# Altium PCB Monitoring.PcbDoc
Units mil, origin at the board's own origin, x right, y up, seen from the top; angles counter-clockwise.
Board outline 4310 x 2020 mil, 4 copper layers (Top Layer, Internal Plane 1, Internal Plane 2, Bottom Layer), stack 18.2 mil thick; 97 components, 72 nets, 433 pads, 57 vias.
Unrouted connection lines stored in the file: 2.
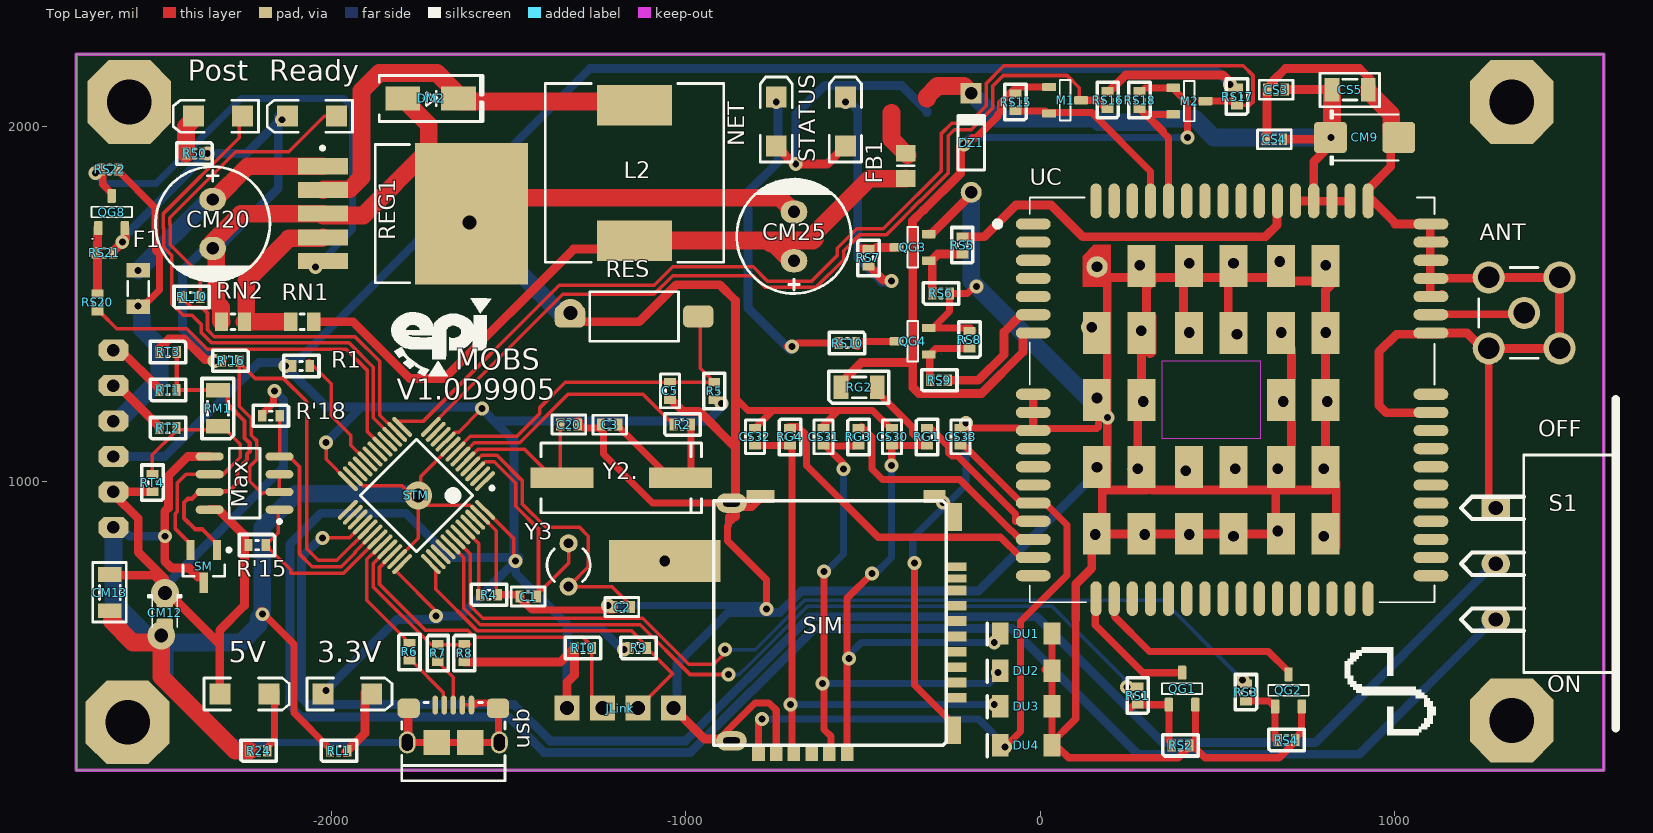
[diagram p0: Top Layer view]
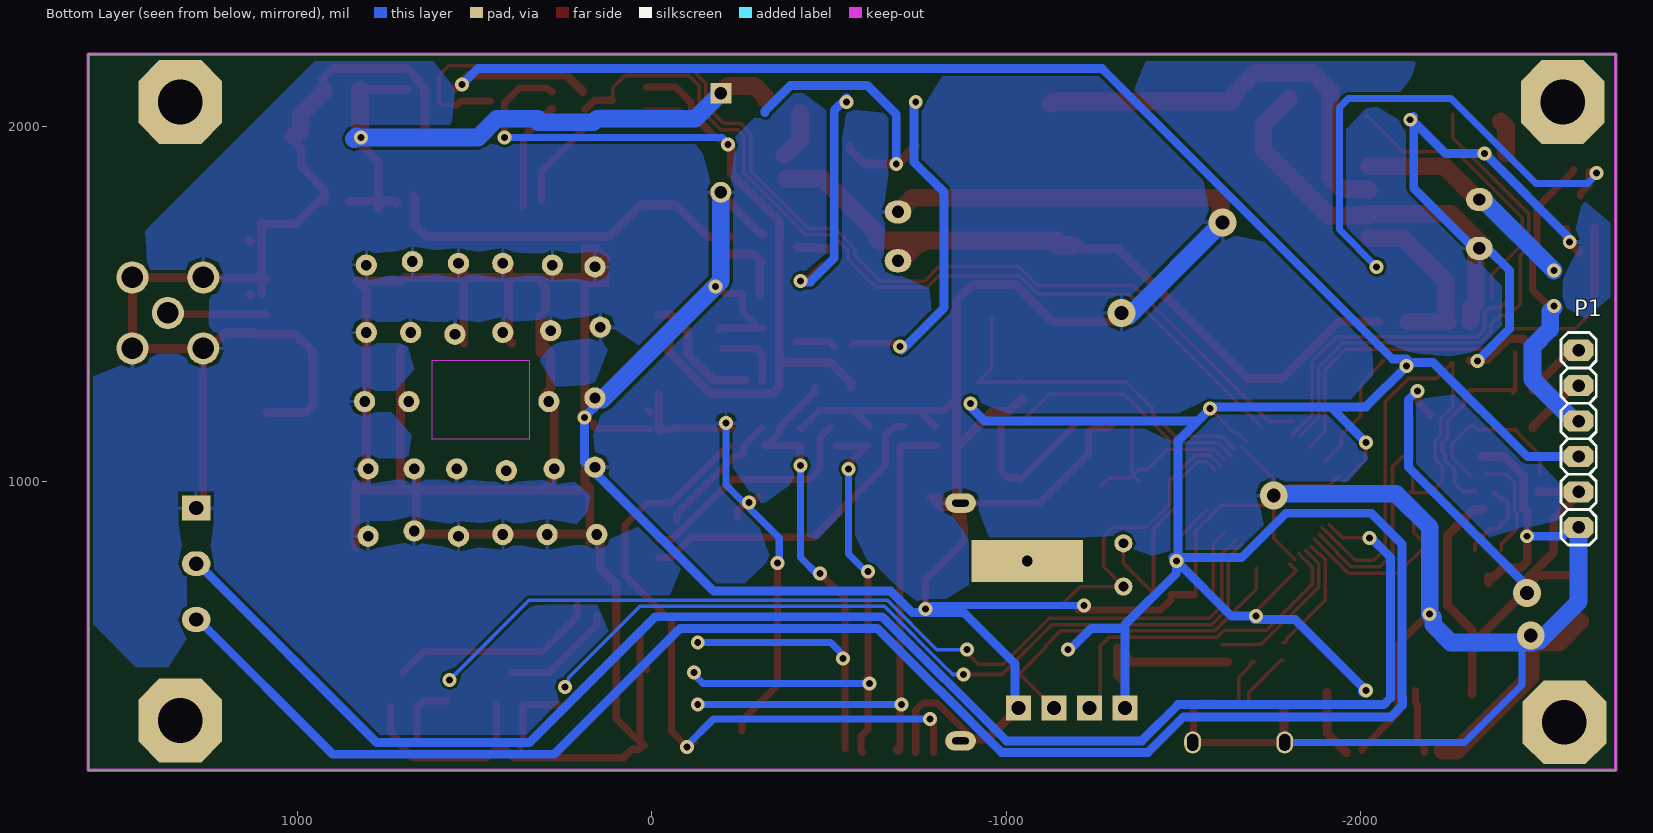
[diagram p1: Bottom Layer view, seen from below]
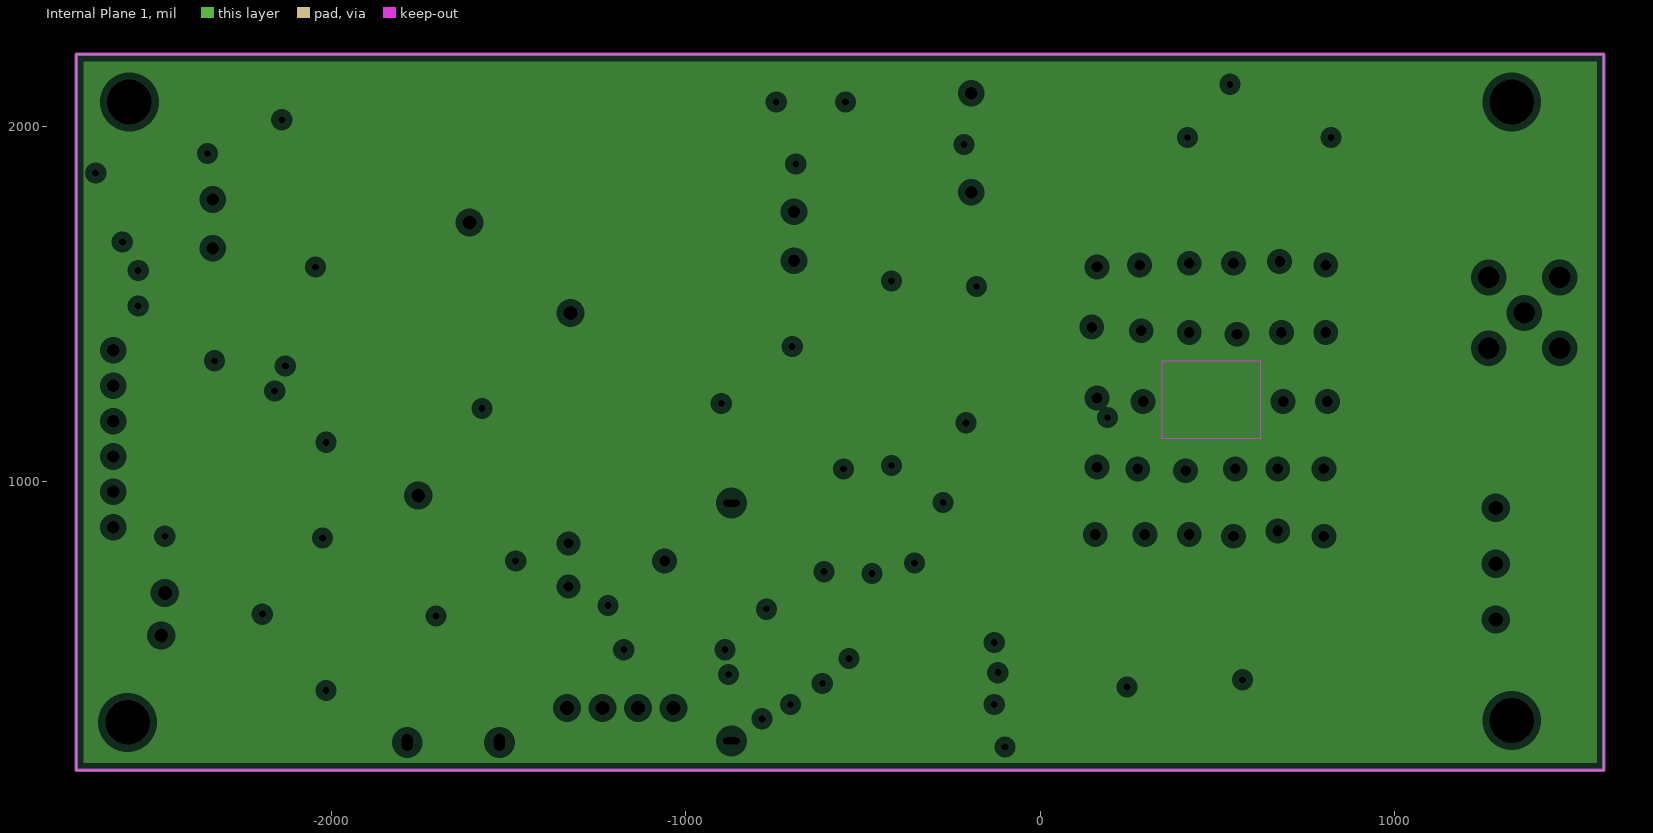
[diagram p2: Internal Plane 1, clearances drawn from the general rule]
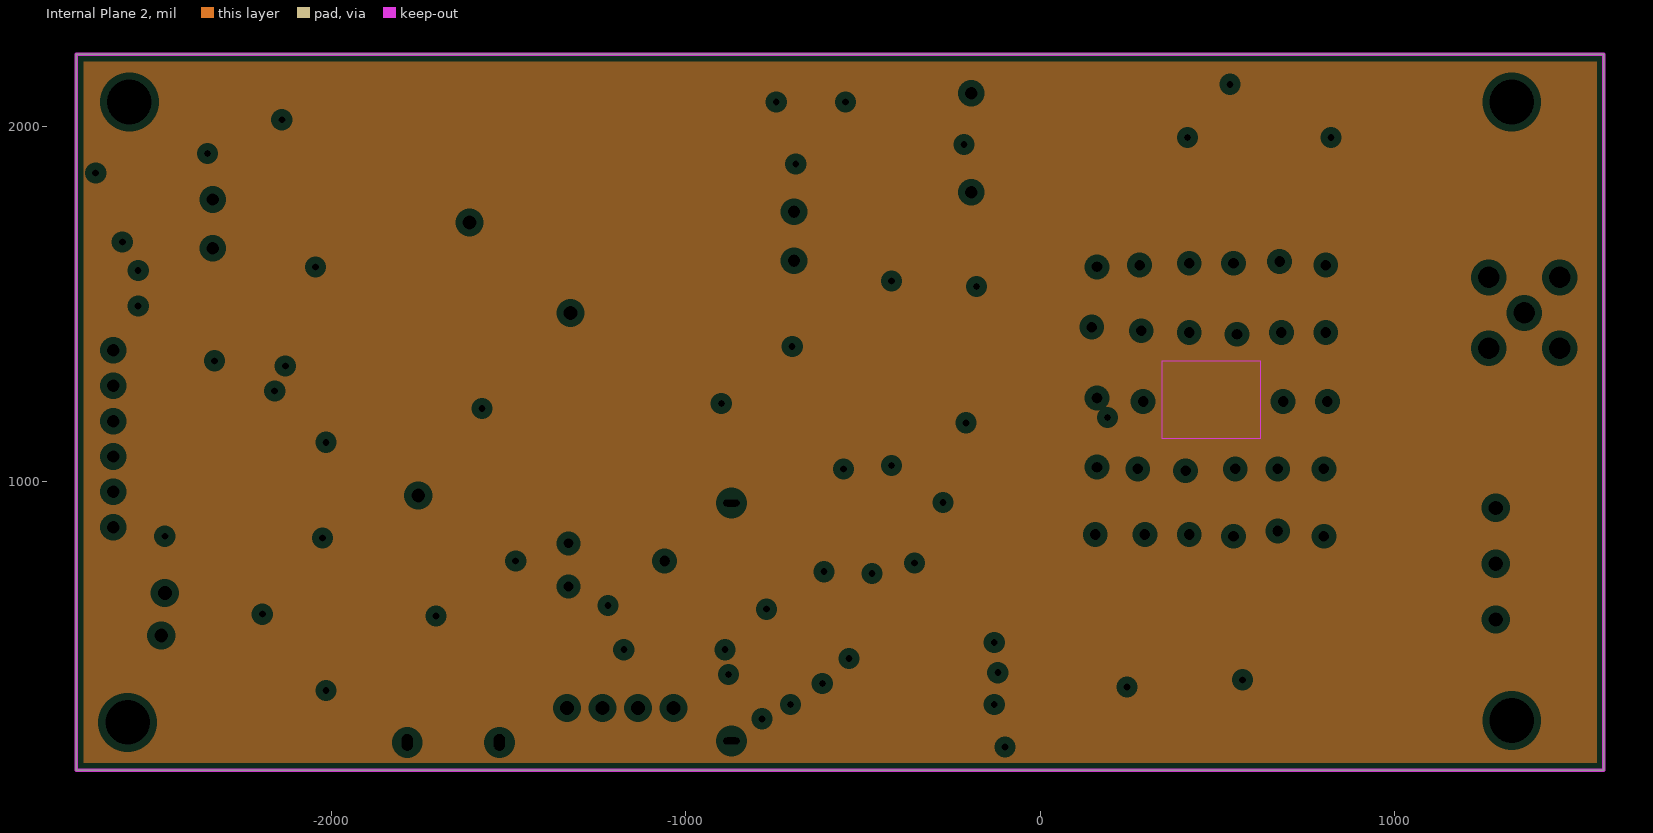
[diagram p3: Internal Plane 2, clearances drawn from the general rule]
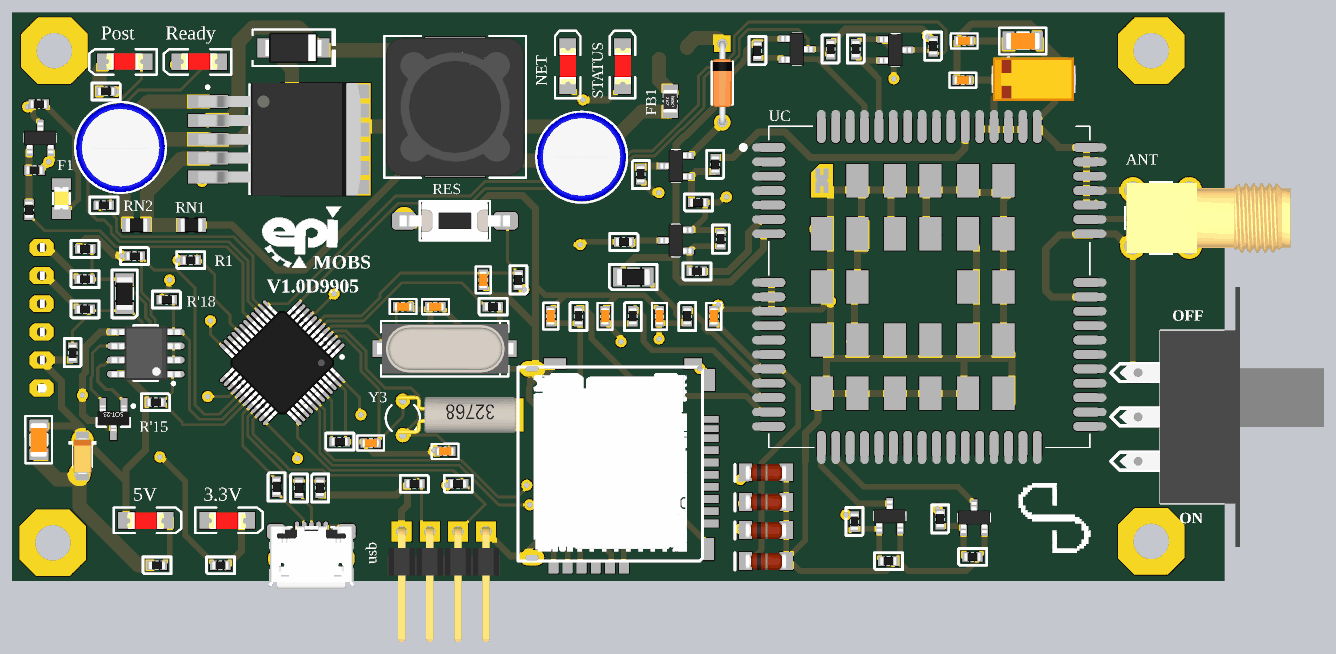
[diagram p4: 3D render of the assembled board from above, using the file's embedded part models]

## Layer stack, top to bottom
Top Solder: solder mask 0.4, Solder Resist, Dk 3.5
Top Layer: signal copper 1.4
Internal Plane 1: plane copper 1.4
Internal Plane 2: plane copper 1.4
Dielectric 1: dielectric 12.6, FR-4, Dk 4.8
Bottom Layer: signal copper 1.4
Bottom Solder: solder mask 0.4, Solder Resist, Dk 3.5

## Board outline
-2720,185 -2720,2205 1590,2205 1590,185

## Design rules (kind name [scope] priority, off if disabled: settings)
Clearance [All] p1: gap=7.87 ignorepadtopadclearanceinfootprint=FALSE except(0: Arc-Hole Track-Hole SMDPad-Hole THPad-Hole Via-Hole Fill-Hole Poly-Hole Region-Hole Text-Hole)
HoleSize [All] p1: absolutevalues=TRUE maxlimit=200 minlimit=1 maxpercent=80.000 minpercent=20.000
MinimumSolderMaskSliver [All] p1 off: minsoldermaskwidth=10
PlaneClearance [All] p1: clearance=20
PlaneConnect [All] p1: planeconnectstyle=Relief reliefexpansion=20 reliefentries=4 reliefconductorwidth=10 reliefairgap=10
PolygonConnect [All] p1: connectstyle=Relief reliefconductorwidth=10 reliefentries=4 polygonreliefangle="90 Angle" airgapwidth=10
RoomDefinition GSM [InComponentClass('GSM')] p1: confinementstyle=ConfineOut formatcopy=TRUE lockcomponents=FALSE outline 7000,3545 9225,3545 9225,2021.26 7000,2021.26
RoomDefinition Communication [InComponentClass('Communication')] p2: confinementstyle=ConfineOut formatcopy=TRUE lockcomponents=FALSE outline 6290,256.26 4450,256.26 4450,780 6290,780
RoomDefinition "Power GSM" [InComponentClass('Power GSM')] p3: confinementstyle=ConfineOut formatcopy=TRUE lockcomponents=FALSE outline -1830,4100 -2585,4100 -2585,2920 -1830,2920
RoomDefinition MCU [InComponentClass('MCU')] p4: confinementstyle=ConfineOut formatcopy=TRUE lockcomponents=FALSE outline -1220,3030 -635,3030 -635,2310 -1220,2310
RoomDefinition "Input Connector" [InComponentClass('Input Connector')] p5: confinementstyle=ConfineOut formatcopy=TRUE lockcomponents=FALSE outline -525,2505 -525,4240 725,4240 725,2505
RoutingVias [All] p1: holewidth=23.62 width=39.37 viastyle="Through Hole" minholewidth=19.68 minwidth=30 maxholewidth=43.31 maxwidth=82.68
SilkToBoardRegionClearance [All] p1 off:
SilkToSolderMaskClearance [IsPad] p1 off: minsilkscreentomaskgap=1 clearancetoexposedcopper=TRUE
SolderMaskExpansion [All] p1: expansion=4
Width [All] p1: maxlimit=100 minlimit=10 preferedwidth=10 minimp=50.000000 maximp=50.000000 favimp=50.000000
24 further rules are at their usual default settings.

## Classes and differential pairs
component class GSM: ANT CS30 CS31 CS32 CS33 DU1 DU2 DU3 DU4 M1 M2 NET Post QG1 QG2 QG3 QG4 R50 Ready RG1 RG2 RG3 RG4 RL10 RS1 RS2 RS3 RS4 RS5 RS6 RS7 RS8 RS9 RS10 RS15 RS16 RS17 RS18 SIM STATUS UC
component class "Power GSM": CM9 CM20 CM25 CS3 CS4 CS5 DM2 DZ1 F1 FB1 L2 QG8 REG1 RN1 RN2 RS20 RS21 RS22
component class MCU: C1 C2 C3 C5 C20 JLink R1 R2 R4 R5 R6 R7 R8 R9 R10 RES S1 STM usb Y2. Y3
component class "Input Connector": 3.3V 5V P1 R24 RL1
component class Communication: CM12 CM13 Max R'15 R'16 R'18 RM1 RT1 RT2 RT3 RT4 SM

## Components (designator, comment, footprint, x,y, rotation, side; value= is the part's Value field where it differs from the comment)
3.3V "GREEN" "LED SMD 1206" -1955,400 r0 top
5V "RED" "LED SMD 1206" -2245,400 r0 top
ANT "SMA" "MOLEX SD-73100-0114" 1365,1475 r0 top
C1 "10pF" SMD_CAP_0603 -1445,675 r0 top
C2 "10pF" SMD_CAP_0603 -1180,645 r0 top
C3 "20pF" SMD_CAP_0603 -1215,1160 r180 top
C5 "1uF" SMD_CAP_0603 -1045,1255 r270 top
C20 "20pF" SMD_CAP_0603 -1330,1160 r0 top
CM9 "100uF" CAPMP6032X280N 915,1970 r0 top
CM12 "10uF" CAPMP3216X180N -2470,628.54 r270 top
CM13 "100nF" SMD_CAP_1206 -2625,737.2 r270 top
CM20 "100uF" "cap 03" -2335,1726.1 r90 top
CM25 "1000uF" "cap 03" -695,1691.1 r270 top
CS3 "33pF" SMD_CAP_0603 665,2105 r180 top
CS4 "10pF" SMD_CAP_0603 660,1965 r180 top
CS5 "100nF" SMD_CAP_1206 822.8,2105 r0 top
CS30 "33pF" SMD_CAP_0603 -418.33,1125.59 r90 top
CS31 "33pF" SMD_CAP_0603 -611.67,1125.59 r90 top
CS32 "33pF" SMD_CAP_0603 -805,1125.59 r270 top
CS33 "100nF" SMD_CAP_0603 -225,1125.59 r90 top
DM2 "1N5822" "DO214AC SMA" -1720,2080 r0 top
DU1 "6.58V" Minimelf -40,570 r180 top
DU2 "6.58V" Minimelf -40,465 r180 top
DU3 "6.58V" Minimelf -40,365 r180 top
DU4 "6.58V" Minimelf -40,255 r180 top
DZ1 "DZ5.1V 0.5W" DO-35 -195,1955 r90 top
F1 "Fuse 4A 1206" "Fuse SMD 1206" -2550,1540 r270 top
FB1 "BLM21PG" "R 0805 / 2012" -380,1890 r90 top value=220OHM
JLink "Header Male Right 1x4" "Header 1x4 male rightangle" -1135,360 r180 top
L2 "Inductor" "BOURNS SRR1280" -1145,1870 r270 top value=100uH2A
M1 "BSS138" SOT23-3 70,2075 r0 top
M2 "BSS138" SOT23-3 420.28,2072.6 r0 top
Max "MAX485ESA" SO8_NARROW_N -2245,995 r180 top
NET "RED" "LED SMD 1206" -745,2015 r90 top
P1 "Header 6H" "Female 6x1" -2615,1370 r270 bottom locked
Post "RED" "LED SMD 1206" -2320,2030 r180 top
QG1 "BC848" SOT23-3 400,415 r90 top
QG2 "BC848" SOT23-3 700,410 r90 top
QG3 "BC848" SOT23-3 -360,1660 r180 top
QG4 "BC848" SOT23-3 -360,1395 r180 top
QG8 "BC848" SOT23-3 -2620,1759.72 r90 top
R1 "10K" "RES 0603 (1608X06L)" -2110,1325 r0 top
R2 "390" "RES 0603 (1608X06L)" -1035,1160 r0 top
R4 "10K" "RES 0603 (1608X06L)" -1580,680 r0 top
R5 "10K" "RES 0603 (1608X06L)" -920,1230 r90 top
R6 "20R" "RES 0603 (1608X06L)" -1780,543.99 r270 top
R7 "20R" "RES 0603 (1608X06L)" -1700,540 r270 top
R8 "1.5K" "RES 0603 (1608X06L)" -1625,540 r270 top
R9 "10K" "RES 0603 (1608X06L)" -1158.99,530 r0 top
R10 "10K" "RES 0603 (1608X06L)" -1265,530 r180 top
R24 "1K" "RES 0603 (1608X06L)" -2230,240 r0 top
R50 "510" "RES 0603 (1608X06L)" -2361.01,1925 r180 top
R'15 "10k" "RES 0603 (1608X06L)" -2185,820 r180 top
R'16 "10K" "RES 0603 (1608X06L)" -2260,1340 r180 top
R'18 "10k" "RES 0603 (1608X06L)" -2146.01,1185 r180 top
Ready "GREEN" "LED SMD 1206" -2055,2030 r180 top
REG1 "LM2576-Adj" TO-263-5 -1770,1755 r0 top
RES "Button" "TE FSMSMTR" -1145.91,1465 r90 top
RG1 "20R" "RES 0603 (1608X06L)" -319.76,1150.09 r270 top
RG2 "15K" "RES 1206 (3216X08L)" -562.2,1265 r0 top
RG3 "20R" "RES 0603 (1608X06L)" -513.09,1150.09 r270 top
RG4 "20R" "RES 0603 (1608X06L)" -706.43,1150.09 r270 top
RL1 "500" "RES 0603 (1608X06L)" -2003.99,240 r0 top
RL10 "470" "RES 0603 (1608X06L)" -2418.99,1520 r0 top
RM1 "150" "RES 1206 (3216X08L)" -2320,1155 r90 top
RN1 "3.6K" "RES 0805 (2012X06L)" -2050.04,1450 r180 top
RN2 "1.5K" "RES 0805 (2012X06L)" -2245,1450 r180 top
RS1 "4.7K" "RES 0603 (1608X06L)" 275,371.01 r90 top
RS2 "47K" "RES 0603 (1608X06L)" 371.01,255 r0 top
RS3 "4.7K" "RES 0603 (1608X06L)" 580,380 r90 top
RS4 "47K" "RES 0603 (1608X06L)" 670,270 r0 top
RS5 "4.7K" "RES 0603 (1608X06L)" -220,1641.01 r90 top
RS6 "47K" "RES 0603 (1608X06L)" -305,1530 r0 top
RS7 "680" "RES 0603 (1608X06L)" -485,1655 r270 top
RS8 "47K" "RES 0603 (1608X06L)" -200,1375 r90 top
RS9 "4.7K" "RES 0603 (1608X06L)" -310,1285 r0 top
RS10 "680" "RES 0603 (1608X06L)" -520,1390 r180 top
RS15 "10K" "RES 0603 (1608X06L)" -70,2045 r90 top
RS16 "10K" "RES 0603 (1608X06L)" 190,2051.01 r90 top
RS17 "10K" "RES 0603 (1608X06L)" 555,2061.01 r90 top
RS18 "10K" "RES 0603 (1608X06L)" 280,2051.01 r90 top
RS20 "4.7K" "RES 0603 (1608X06L)" -2660,1528.99 r270 top
RS21 "47K" "RES 0603 (1608X06L)" -2665,1645 r0 top
RS22 "47K" "RES 0603 (1608X06L)" -2601.01,1880 r180 top
RT1 "20" "RES 0603 (1608X06L)" -2486.01,1257.5 r0 top
RT2 "20" "RES 0603 (1608X06L)" -2486.01,1150 r0 top
RT3 "1K" "RES 0603 (1608X06L)" -2436.01,1365 r180 top
RT4 "1K" "RES 0603 (1608X06L)" -2505,971.01 r90 top
S1 "Switch SPDT_Subminiator" "Switch - SPDT 15.5" 1285,767.52 r0 top
SIM "Socket_SIM_MEM" microsd&SimCardSocket -595,938.74 r180 top
SM "SM712 Diode" SOT23_BEC_M -2360,760 r270 top
STATUS "GREEN" "LED SMD 1206" -550,2015 r90 top
STM "STM32F103CBT6" LQFP-48 -1760,960 r225 top
UC "quectel uc15" "Quectel UC15" 354.76,1360 r0 top
usb "USB Micro" "FCI USB 10118193-0001LF" -1655.98,265.51 r180 top
Y2. "8 MHz" "Crystal SMD" -1160,1010 r180 top
Y3 "32.768K" "XTAL RTC - Right" -1330.8,764.12 r0 top

## Footprints (in the part's own frame and the unit in brackets; to place one, negate y for a bottom-side part, rotate by r counter-clockwise, add the part's x,y. Pads: shape width x height; smd on the part's side, far side on the other; paste and mask are expansions set on the pad)
"BOURNS SRR1280" [mm] "Precision Wire Wound Inductor, 2-Leads, Body 12.50x12.50mm, IPC Medium Density"
  rect 2.9x5.4 smd: 1(-4.85,0) 2(4.85,0)
  silkscreen extent -6.4,-6.4 6.4,6.4, body extent -6.25,-6.25 6.25,6.25, height 7.9
"cap 03" [mil]
  oval 65x75 hole 35: 1(68.9,0) 2(-68.9,0)
  silkscreen extent -161,-161 161,161, body extent -159,-159 157,158, height 473
CAPMP3216X180N [mm] "Capacitor, polarized, Molded Body, EIA 535BAAC size A; 3.20mm L X 1.60mm W X 1.80mm H"
  round 0.508 on Mech15: 0(0,0)
  rrect25% 1.8x1.2 smd: 1(-1.3,0) 2(1.3,0)
  silkscreen extent -1.3,-1.2 1,1.2, body extent -1.6,-0.8 1.6,0.8, height 1.8
CAPMP6032X280N [mm] "Capacitor, polarized, Molded Body, EIA 535BAAC size C; 6.00mm L X 3.20mm W X 2.80mm H"
  round 0.508 on Mech15: 0(0,0)
  rrect25% 2.35x2.25 smd: 1(-2.45,0) 2(2.45,0)
  silkscreen extent -2.45,-1.95 2.45,1.95, body extent -3.87,-2.02 3.73,1.93, height 3.1
"Crystal SMD" [mm]
  rect 4.5x1.5 smd: 1(-3.683,0) 2(4.817,0)
  silkscreen extent -5.18,-2.5 6.32,2.5, body extent -5.64,-2.25 6.66,2.25, height 5.18
"DO214AC SMA" [mm]
  rect 2.5x1.7 smd: 1(-2,0) 2(2,0)
  silkscreen extent -3.68,-1.65 3.75,1.65, body extent -2.6,-1.37 2.6,1.37, height 2.4
DO-35 [mm] "Diode, Axial; Body 3.8 x 1.9 mm (LxDia. max), Lead Dia. 0.53 mm (max)"
  round 1.5 hole 0.9: 1(-3.55,0)
  rect 1.5x1.5 hole 0.9: 2(3.55,0)
  silkscreen extent -1.95,-0.95 2.05,0.95, body extent -3.82,-0.87 3.82,0.87, height 1.89
"FCI USB 10118193-0001LF" [mm]
  oval 0.4x1.35 smd: 1(1.3,-2.625) 2(0.65,-2.625) 3(0,-2.625) 4(-0.65,-2.625) 5(-1.3,-2.625)
  oval 1.2x1.6 hole 0.8 slot 1.2 at 90 deg: S(-3.3,0.05) S(3.3,0.05)
  rrect50% 1.6x1.4 smd: S(-3.2,-2.4) S(3.2,-2.4)
  rect 1.9x1.8 smd: S(-1.2,0.05) S(1.2,0.05)
  silkscreen extent -3.7,-2.8 3.7,2.8, body extent -3.93,-2.9 3.93,2.76, height 2.78
"Female 6x1" [mil]
  oct 60x85 hole 35: 1(0,0) 2(100,0) 3(200,0) 4(300,0) 5(400,0) 6(500,0)
  silkscreen extent -50,-50 550,50, body extent -60,-50 560,45, height 335
"Fuse SMD 1206" [mm]
  rect 1.05x1.7 smd: 1(-1.397,0.127) 2(1.199,0.127)
  silkscreen extent -0.6,-0.62 0.4,0.88, body extent -1.14,-0.51 0.89,0.76, height 0.2
"Header 1x4 male rightangle" [mm]
  rect 1.8x1.8 hole 1: 1(-2.54,0) 2(0,0) 3(2.54,0) 4(5.08,0)
  body extent -3.81,-0.38 6.35,9.98, height 2.64
"LED SMD 1206" [mm]
  rect 1.5x1.5 smd: 1(-1.75,0) 2(1.75,0)
  silkscreen extent -2.9,-1.15 3.2,1.15, body extent -1.65,-0.76 1.65,0.69, height 1.36
LQFP-48 [mm] "TSQFP, 48-Leads, Body 9,0x9,0mm (max), Pitch 0,50mm, IPC Medium Density"
  oval 1.9x0.3 smd: 1(-4.2,2.75) 2(-4.2,2.25) 3(-4.2,1.75) 4(-4.2,1.25) 5(-4.2,0.75) 6(-4.2,0.25) 7(-4.2,-0.25) 8(-4.2,-0.75) 9(-4.2,-1.25) 10(-4.2,-1.75) 11(-4.2,-2.25) 12(-4.2,-2.75) 25(4.2,-2.75) 26(4.2,-2.25) 27(4.2,-1.75) 28(4.2,-1.25) 29(4.2,-0.75) 30(4.2,-0.25) 31(4.2,0.25) 32(4.2,0.75) 33(4.2,1.25) 34(4.2,1.75) 35(4.2,2.25) 36(4.2,2.75)
  oval 0.3x1.9 smd: 13(-2.75,-4.2) 14(-2.25,-4.2) 15(-1.75,-4.2) 16(-1.25,-4.2) 17(-0.75,-4.2) 18(-0.25,-4.2) 19(0.25,-4.2) 20(0.75,-4.2) 21(1.25,-4.2) 22(1.75,-4.2) 23(2.25,-4.2) 24(2.75,-4.2) 37(2.75,4.2) 38(2.25,4.2) 39(1.75,4.2) 40(1.25,4.2) 41(0.75,4.2) 42(0.25,4.2) 43(-0.25,4.2) 44(-0.75,4.2) 45(-1.25,4.2) 46(-1.75,4.2) 47(-2.25,4.2) 48(-2.75,4.2)
  silkscreen extent -4.32,-2.85 2.85,3.57, body extent -4.5,-4.5 4.5,4.5, height 1.5
microsd&SimCardSocket [mm]
  rect 1.1x2 smd: 0(-8.955,1) 0(-8.88,16.28)
  rect 1.6x0.95 smd: 0(-7.53,-0.475)
  rect 2x0.95 smd: 0(4.94,-0.475)
  rrect100% 2.2x1.4 hole 0.5 slot 1.2 at 0 deg: 0(7.02,17.05)
  oval 2.2x1.4 hole 0.5 slot 1.2 at 0 deg: 0(7.02,0)
  rect 1.5x0.7 smd: 1(-9.08,6.26) 2(-9.08,7.36) 3(-9.08,8.46) 4(-9.08,9.56) 5(-9.08,10.66) 6(-9.08,11.76) 7(-9.08,12.86) 8(-9.08,13.96)
  rect 1.5x0.6 smd: A(-9.08,4.56) B(-9.08,5.41)
  rect 0.9x1.19 smd: C1(5.08,17.875) C2(2.54,17.875) C3(0,17.875) C5(3.81,17.875) C6(1.27,17.875) C7(-1.27,17.875)
  silkscreen extent -8.38,-0.17 8.29,17.36, body extent -6.98,0.37 6.87,16.51, height 1.68
Minimelf [mm]
  rect 1.2x1.6 smd: 1(-1.85,-0.013) 2(1.85,-0.013)
  silkscreen extent 2.8,-0.75 2.8,0.8, body extent -1.85,-0.77 1.85,0.8, height 1.6
"MOLEX SD-73100-0114" [mm]
  round 2.302 hole 1.54: G(-2.54,-2.54) G(2.54,-2.54)
  round 2.304 hole 1.54: G(-2.54,2.54) G(2.54,2.54) S(0,0)
  silkscreen extent -3.25,-3.25 1,3.25, body extent -3.12,-3.17 11.68,3.17, height 9.67
"Quectel UC15" [mm]
  oval 2.5x0.8 smd: 1(-9.519,9.294) 2(-9.519,7.994) 3(-9.519,6.694) 4(-9.519,5.394) 5(-9.519,4.094) 6(-9.519,2.794) 7(-9.519,1.494) 8(-9.519,-5.506) 9(-9.519,-6.806) 10(-9.519,-8.106) 11(-9.519,-9.406) 12(-9.519,-10.706) 13(-9.519,-12.006) 14(-9.519,-13.306) 15(-9.519,-14.606) 16(-9.519,-15.906) 33(18.981,-15.906) 34(18.981,-14.606) 35(18.981,-13.306) 36(18.981,-12.006) 37(18.981,-10.706) 38(18.981,-9.406) 39(18.981,-8.106) 40(18.981,-6.806) 41(18.981,-5.506) 42(18.981,1.494) 43(18.981,2.794) 44(18.981,4.094) 45(18.981,5.394) 46(18.981,6.694) 47(18.981,7.994) 48(18.981,9.294) 65(18.981,-4.206) 66(18.981,-2.906) 67(-9.519,-2.906) 68(-9.519,-4.206)
  oval 0.8x2.5 smd: 17(-5.019,-17.556) 18(-3.719,-17.556) 19(-2.419,-17.556) 20(-1.119,-17.556) 21(0.181,-17.556) 22(1.481,-17.556) 23(2.781,-17.556) 24(4.081,-17.556) 25(5.381,-17.556) 26(6.681,-17.556) 27(7.981,-17.556) 28(9.281,-17.556) 29(10.581,-17.556) 30(11.881,-17.556) 31(13.181,-17.556) 32(14.481,-17.556) 49(14.481,10.944) 50(13.181,10.944) 51(11.881,10.944) 52(10.581,10.944) 53(9.281,10.944) 54(7.981,10.944) 55(6.681,10.944) 56(5.381,10.944) 57(4.081,10.944) 58(2.781,10.944) 59(1.481,10.944) 60(0.181,10.944) 61(-1.119,10.944) 62(-2.419,10.944) 63(-3.719,10.944) 64(-5.019,10.944)
  rect 2x3 smd: 81(11.431,6.294) 82(11.431,1.494) 83(11.431,-3.306) 84(11.431,-8.106) 85(11.431,-12.906) 86(8.231,6.294) 87(8.231,1.494) 88(8.231,-3.306) 89(8.231,-8.106) 90(8.231,-12.906) 91(4.831,6.294) 92(4.831,1.494) 93(4.831,-8.106) 94(4.831,-12.906) 95(1.631,6.294) 96(1.631,1.494) 97(1.631,-8.106) 98(1.631,-12.906) 99(-1.769,6.294) 100(-1.769,1.494) 101(-1.769,-3.306) 102(-1.769,-8.106) 103(-1.769,-12.906) 105(-4.969,1.494) 106(-4.969,-3.306) 107(-4.969,-8.106) 108(-4.969,-12.906)
  rect 1x1 smd: 104(-4.969,6.294)
  Top Layer region: -5.969,4.794 -3.969,4.794 -3.969,7.794 -5.169,7.794 -5.969,6.994
  Keep-Out Layer region: -0.269,-0.506 6.731,-0.506 6.731,-6.106 -0.269,-6.106
  Keep-Out Layer region: -0.269,-0.506 6.731,-0.506 6.731,-6.106 -0.269,-6.106
  Keep-Out Layer region: -0.269,-0.506 6.731,-0.506 6.731,-6.106 -0.269,-6.106
  Keep-Out Layer region: -0.269,-0.506 6.731,-0.506 6.731,-6.106 -0.269,-6.106
  Keep-Out Layer region: -0.269,-0.506 6.731,-0.506 6.731,-6.106 -0.269,-6.106
  Keep-Out Layer region: -0.269,-0.506 6.731,-0.506 6.731,-6.106 -0.269,-6.106
  silkscreen extent -12.27,-17.81 19.23,11.19, body extent -9.77,-17.81 19.23,11.19, height 2
"R 0805 / 2012" [mm]
  rect 1.2x1.4 smd: 1(-0.9,0) 2(0.9,0)
  silkscreen extent 0,-0.6 0,0.6, body extent -1,-0.63 1,0.62, height 0.45
"RES 0603 (1608X06L)" [mm] "Chip Resistor, 2-Leads, Body 1.6x0.8mm, IPC High Density _ (0.063W)"
  rect 0.6x0.85 smd: 1(0,0) 2(1.244,0)
  silkscreen extent -0.64,-0.76 1.91,0.76, body extent -0.14,-0.38 1.38,0.38, height 0.45
"RES 0805 (2012X06L)" [mm] "Chip Resistor, 2-Leads, Body 2.0x1.3mm, IPC High Density _ (0.100 W)"
  rect 0.95x1.3 smd: 1(0,0) 2(1.65,0)
  silkscreen extent 0.67,-0.55 0.97,0.55, body extent -0.19,-0.63 1.84,0.64, height 0.6
"RES 1206 (3216X08L)" [mm] "Chip Resistor, 2-Leads, Body 3.2x1.6mm, IPC High Density _ (0.125 W)"
  rect 1.05x1.7 smd: 1(0,0) 2(2.596,0)
  silkscreen extent -0.89,-1.14 3.43,1.14, body extent -0.23,-0.76 2.82,0.76, height 0.6
SMD_CAP_0603 [mm]
  rect 0.6x0.85 smd: 1(-0.622,0) 2(0.622,0)
  silkscreen extent -1.21,-0.67 1.2,0.68, body extent -0.76,-0.38 0.76,0.38, height 0.6
SMD_CAP_1206 [mm]
  rect 1.05x1.7 smd: 1(0,0) 2(2.596,0)
  silkscreen extent -0.85,-1.22 3.41,1.18, body extent -0.22,-0.77 2.82,0.75, height 0.75
SO8_NARROW_N [mm]
  oval 2x0.6 smd: 1(-2.5,1.905) 2(-2.5,0.635) 3(-2.5,-0.635) 4(-2.5,-1.905) 5(2.5,-1.905) 6(2.5,-0.635) 7(2.5,0.635) 8(2.5,1.905)
  silkscreen extent -2.63,-2.5 1.1,2.88, body extent -3.12,-2.39 3.07,2.44, height 1.7
SOT23-3 [mm] "SOT23, 3 pin"
  round 0.5 on Mech15: 0(0,0)
  rrect25% 1x0.6 smd: 1(-1.15,0.95) 2(-1.15,-0.95) 3(1.15,0)
  silkscreen extent -0.38,-1.45 0.38,1.45, body extent -1.4,-1.45 1.4,1.45, height 1.29
SOT23_BEC_M [mm] "SOT23, 3-Leads, Body 2.9x1.3mm, Pitch 0.95mm, Lead Span 2.4mm, IPC Low Density"
  rect 1.45x0.6 smd: 1(-1.175,0.95) 2(-1.175,-0.95) 3(1.175,0)
  silkscreen extent -1.3,-1.5 0.7,1.93, body extent -1.23,-1.45 1.07,1.45, height 1
"Switch - SPDT 15.5" [mil]
  rect 80x70 hole 40: 1(0,157.48)